# Altium PCB FlightControlBoard.PcbDoc (part 1 of 3) (continued)
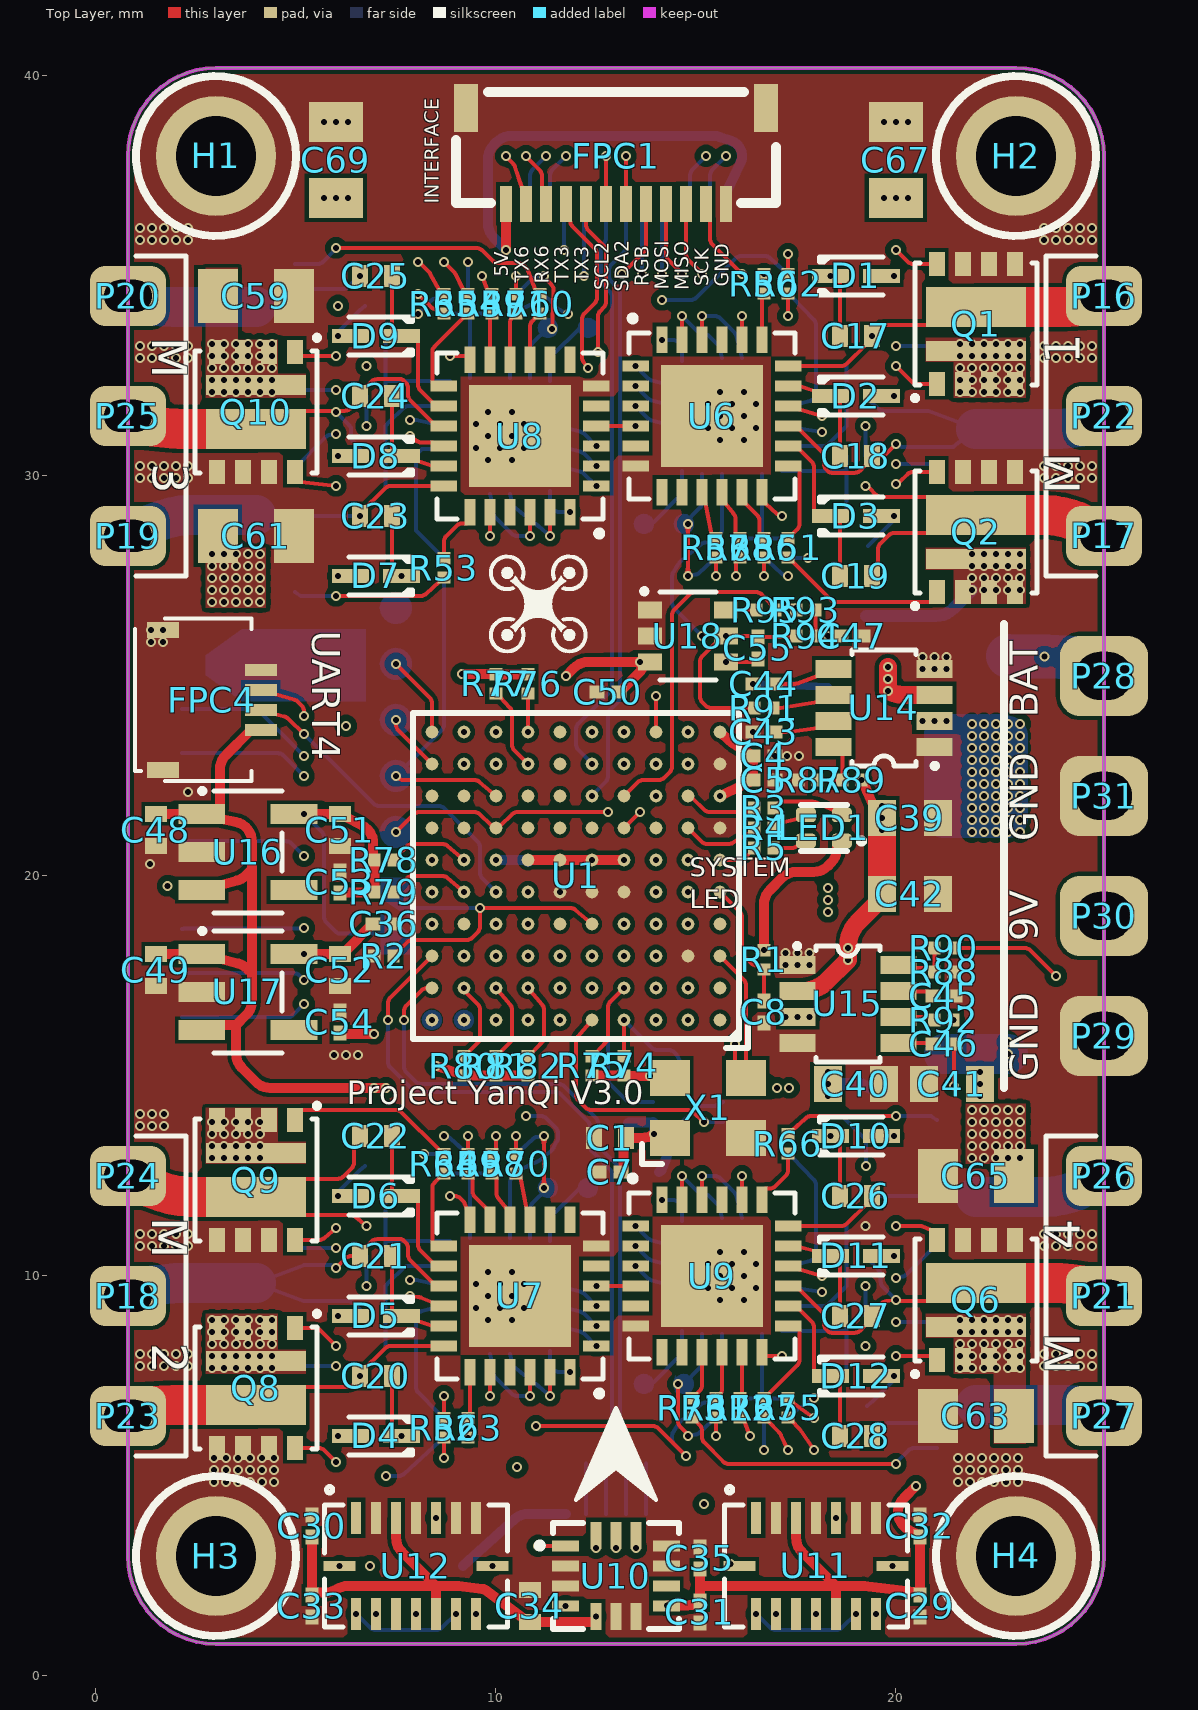
[diagram p0: Top Layer view]
## Components (designator, comment, footprint, x,y, rotation, side; value= is the part's Value field where it differs from the comment)
C1 "4.7uF" C0402 12.85,13.45 r180 top locked
C2 "2.2uF" C0402 11.2,19.55 r0 bottom
C3 "2.2uF" C0402 11.2,20.35 r180 bottom
C4 "1uF" C0201 16.7,23 r180 top
C5 "100nF" C0201 16.7,22.4 r180 top locked
C6 "15pF" C0201 15.7,15.8 r0 bottom
C7 "100nF" C0201 12.85,12.6 r0 top locked
C8 "100nF" C0201 16.7,16.6 r90 top locked
C9 "100nF" C0201 14.5,28 r180 bottom locked
C10 "100nF" C0201 11.5,13 r0 bottom locked
C11 "100nF" C0201 11.5,34.5 r0 bottom locked
C12 "100nF" C0201 14.5,6.5 r180 bottom locked
C13 "100nF" C0201 19,28.25 r0 bottom locked
C14 "100nF" C0201 7,12.75 r180 bottom locked
C15 "100nF" C0201 7,34.25 r180 bottom locked
C16 "100nF" C0201 19,6.75 r0 bottom locked
C17 "1uF" C0402 19,33.5 r180 top locked
C18 "1uF" C0402 19,30.5 r180 top locked
C19 "1uF" C0402 19,27.5 r180 top locked
C20 "1uF" C0402 7,7.5 r0 top locked
C21 "1uF" C0402 7,10.5 r0 top locked
C22 "1uF" C0402 7,13.5 r0 top locked
C23 "1uF" C0402 7,29 r0 top locked
C24 "1uF" C0402 7,32 r0 top locked
C25 "1uF" C0402 7,35 r0 top locked
C26 "1uF" C0402 19,12 r180 top locked
C27 "1uF" C0402 19,9 r180 top locked
C28 "1uF" C0402 19,6 r180 top locked
C29 "100nF" C0201 20.6,1.75 r270 top locked
C30 "100nF" C0201 5.4,3.75 r90 top locked
C31 "10nF" C0201 15.1,1.6 r270 top
C32 "100nF" C0201 20.6,3.75 r90 top locked
C33 "100nF" C0201 5.4,1.75 r270 top locked
C34 "2.2uF" C0402 10.85,1.75 r270 top
C35 "100nF" C0201 15.1,2.95 r270 top
C36 "100nF" C0201 7.2,18.8 r180 top locked
C37 "100nF" C0201 13.3,13.55 r270 bottom
C38 "100nF" C0201 13.8,12.6 r180 bottom
C39 "22uF" C0603 20.35,21.45 r0 top locked
C40 "22uF" C0603 19,14.8 r0 top
C41 "22uF" C0603 21.4,14.8 r180 top
C42 "22uF" C0603 20.35,19.55 r0 top locked
C43 "100nF" C0201 16.7,23.6 r0 top
C44 "100nF" C0201 16.7,24.8 r0 top
C45 "100nF" C0201 21.2,17 r180 top
C46 "100nF" C0201 21.2,15.8 r180 top
C47 "100nF" C0201 18.9,26 r0 top locked
C48 "1uF" C0402 1.5,21.15 r270 top locked
C49 "1uF" C0402 1.5,17.65 r270 top locked
C50 "100nF" C0201 12.8,24.6 r180 top locked
C51 "1uF" C0402 6.1,21.15 r270 top locked
C52 "1uF" C0402 6.1,17.65 r270 top locked
C53 "100nF" C0201 6.1,19.85 r90 top locked
C54 "100nF" C0201 6.1,16.35 r90 top locked
C55 "1nF" C0201 16.55,25.7 r270 top locked
C56 "22uF" C0805 21.2,20.5 r270 bottom locked
C57 "22uF" C0805 4,12.5 r0 bottom locked
C58 "22uF" C0805 22.8,20.5 r270 bottom locked
C59 "22uF" C0805 4,34.5 r0 top locked
C60 "22uF" C0805 21.2,24.5 r90 bottom locked
C61 "22uF" C0805 4,28.5 r0 top locked
C62 "22uF" C0805 21.2,16.5 r90 bottom locked
C63 "22uF" C0805 22,6.5 r180 top locked
C64 "22uF" C0805 22.8,16.5 r90 bottom locked
C65 "22uF" C0805 22,12.5 r180 top locked
C66 "22uF" C0805 22,34.5 r180 bottom locked
C67 "22uF" C0805 20,37.9 r90 top
C68 "22uF" C0805 22,28.5 r180 bottom locked
C69 "22uF" C0805 6,37.9 r90 top
C70 "22uF" C0805 4,6.5 r0 bottom locked
C71 "22uF" C0805 6,37.9 r90 bottom
C72 "22uF" C0805 18.3,26.5 r180 bottom
C73 "22uF" C0805 20,37.9 r90 bottom
D1 "1N4148WT T4" SOD-523 19,35 r0 top locked
D2 "1N4148WT T4" SOD-523 19,32 r0 top locked
D3 "1N4148WT T4" SOD-523 19,29 r0 top locked
D4 "1N4148WT T4" SOD-523 7,6 r180 top locked
D5 "1N4148WT T4" SOD-523 7,9 r180 top locked
D6 "1N4148WT T4" SOD-523 7,12 r180 top locked
D7 "1N4148WT T4" SOD-523 7,27.5 r180 top locked
D8 "1N4148WT T4" SOD-523 7,30.5 r180 top locked
D9 "1N4148WT T4" SOD-523 7,33.5 r180 top locked
D10 "1N4148WT T4" SOD-523 19,13.5 r0 top locked
D11 "1N4148WT T4" SOD-523 19,10.5 r0 top locked
D12 "1N4148WT T4" SOD-523 19,7.5 r0 top locked
D13 "1N5819WS" SOD-323 8,2.75 r0 bottom locked
D14 "1N5819WS" SOD-323 18.2,14.7 r0 bottom locked
FPC1 "FH34SRJ-12S-0.5SH(50)" FFC-SMD_12P-P0.50_FH34SRJ-12S-0.5SH 13,38 r180 top locked
FPC2 "FH34SRJ-6S-0.5SH(50)" FFC-SMD_6P-P0.50_FH34SRJ-6S-0.5SH 13,2.9 r180 bottom locked
FPC3 "FH34SRJ-12S-0.5SH(50)" FFC-SMD_12P-P0.50_FH34SRJ-12S-0.5SH 13,38 r0 bottom locked
FPC4 "FH34SRJ-4S-0.5SH(50)" FFC-SMD_4P-P0.50_FH34SRJ-4S-0.5SH 2.9,24.4 r270 top locked
H1 "M2_HOLE" M2_HOLE 3,38 r0 top locked
H2 "M2_HOLE" M2_HOLE 23,38 r0 top locked
H3 "M2_HOLE" M2_HOLE 3,3 r0 top locked
H4 "M2_HOLE" M2_HOLE 23,3 r0 top locked
L1 "FHD4020S-100MT" IND-SMD_L4.0-W4.0 18.3,23.2 r90 bottom locked value=10uH
L2 "FHD4020S-4R7MT" IND-SMD_L4.0-W4.0 18.3,17.8 r270 bottom locked value=4.7uH
LED1 "FC-B1010RGBT-HG" LED-ARRAY-SMD_4P-L1.0-W1.0-TR-RD 18.2,21.2 r270 top locked
P1 "BurnPad" BURNPAD_0.5MM 9.2,16.4 r180 bottom
P2 "ShortCircuitPad" SHORTCIRCUITPAD 7.5,19 r270 bottom locked
P3 "BurnPad" BURNPAD_0.5MM 8.4,16.4 r180 bottom
P4 "BurnPad" BURNPAD_0.5MM 14.7,28.8 r270 bottom locked
P5 "BurnPad" BURNPAD_0.5MM 13.7,28.8 r270 bottom locked
P6 "BurnPad" BURNPAD_0.5MM 11.3,12.2 r180 bottom locked
P7 "BurnPad" BURNPAD_0.5MM 12.3,12.2 r180 bottom locked
P8 "BurnPad" BURNPAD_0.5MM 11.3,33.7 r180 bottom locked
P9 "BurnPad" BURNPAD_0.5MM 12.3,33.7 r180 bottom locked
P10 "BurnPad" BURNPAD_0.5MM 14.7,7.3 r180 bottom locked
P11 "BurnPad" BURNPAD_0.5MM 13.7,7.3 r180 bottom locked
P12 "BurnPad" BURNPAD_0.8MM 7.5,25.3 r90 bottom locked
P13 "BurnPad" BURNPAD_0.8MM 7.5,23.9 r90 bottom locked
P14 "BurnPad" BURNPAD_0.8MM 7.5,22.5 r90 bottom locked
P15 "BurnPad" BURNPAD_0.8MM 7.5,21.1 r90 bottom locked
P16 "MotorPad" "MOTOR HALF HOLE" 25.2,34.5 r0 top locked
P17 "MotorPad" "MOTOR HALF HOLE" 25.2,28.5 r0 top locked
P18 "MotorPad" "MOTOR HALF HOLE" 0.8,9.5 r0 top locked
P19 "MotorPad" "MOTOR HALF HOLE" 0.8,28.5 r0 top locked
P20 "MotorPad" "MOTOR HALF HOLE" 0.8,34.5 r0 top locked
P21 "MotorPad" "MOTOR HALF HOLE" 25.2,9.5 r0 top locked
P22 "MotorPad" "MOTOR HALF HOLE" 25.2,31.5 r0 top locked
P23 "MotorPad" "MOTOR HALF HOLE" 0.8,6.5 r0 top locked
P24 "MotorPad" "MOTOR HALF HOLE" 0.8,12.5 r0 top locked
P25 "MotorPad" "MOTOR HALF HOLE" 0.8,31.5 r0 top locked
P26 "MotorPad" "MOTOR HALF HOLE" 25.2,12.5 r0 top locked
P27 "MotorPad" "MOTOR HALF HOLE" 25.2,6.5 r0 top locked
P28 "Power_Pad" "POWER HALF HOLE" 25.2,25 r0 top locked
P29 "Power_Pad" "POWER HALF HOLE" 25.2,16 r0 top locked
P30 "Power_Pad" "POWER HALF HOLE" 25.2,19 r0 top locked
P31 "Power_Pad" "POWER HALF HOLE" 25.2,22 r0 top locked
P32 "BurnPad" BURNPAD_0.8MM 7.5,26.7 r90 bottom locked
Q1 "AON7934" DFN-8 22,33.8 r0 top locked
Q2 "AON7934" DFN-8 22,28.6 r0 top locked
Q3 "AON7934" DFN-8 4,9.4 r180 bottom locked
Q4 "AON7934" DFN-8 4,28.6 r180 bottom locked
Q5 "AON7934" DFN-8 4,33.8 r180 bottom locked
Q6 "AON7934" DFN-8 22,9.4 r0 top locked
Q7 "AON7934" DFN-8 22,31.6 r0 bottom locked
Q8 "AON7934" DFN-8 4,7.2 r180 top locked
Q9 "AON7934" DFN-8 4,12.4 r180 top locked
Q10 "AON7934" DFN-8 4,31.6 r180 top locked
Q11 "AON7934" DFN-8 22,12.4 r0 bottom locked
Q12 "AON7934" DFN-8 22,7.2 r0 bottom locked
R1 "10kΩ" R0201 16.7,17.9 r90 top locked
R2 "10kΩ" R0201 7.2,18 r180 top locked
R3 "10kΩ" R0201 16.7,21.7 r180 top locked
R4 "10kΩ" R0201 16.7,21.2 r180 top locked
R5 "10kΩ" R0201 16.7,20.7 r180 top locked
R6 "1kΩ" R0201 15.5,28.2 r270 bottom locked
R7 "1kΩ" R0201 10.5,12.8 r90 bottom locked
R8 "1kΩ" R0201 10.5,34.3 r90 bottom locked
R9 "1kΩ" R0201 15.5,6.7 r270 bottom locked
R10 "10kΩ" R0201 17.3,34.8 r90 bottom locked
R11 "10kΩ" R0201 8.7,6.2 r270 bottom locked
R12 "10kΩ" R0201 8.7,27.7 r270 bottom locked
R13 "10kΩ" R0201 17.3,13.3 r90 bottom locked
R14 "10kΩ" R0201 16.7,28.2 r90 bottom locked
R15 "10kΩ" R0201 19,31.25 r180 bottom locked
R16 "10kΩ" R0201 19,30.5 r180 bottom locked
R17 "10kΩ" R0201 9.3,12.8 r270 bottom locked
R18 "10kΩ" R0201 7,9.75 r0 bottom locked
R19 "10kΩ" R0201 7,10.5 r0 bottom locked
R20 "10kΩ" R0201 9.3,34.3 r270 bottom
R21 "10kΩ" R0201 7,31.25 r0 bottom locked
R22 "10kΩ" R0201 7,32 r0 bottom locked
R23 "10kΩ" R0201 16.7,6.7 r90 bottom locked
R24 "10kΩ" R0201 19,9.75 r180 bottom locked
R25 "10kΩ" R0201 19,9 r180 bottom locked
R26 "47kΩ" R0201 17.3,28.2 r270 bottom locked
R27 "4.7kΩ" R0201 16.1,28.2 r90 bottom locked
R28 "47kΩ" R0201 8.7,12.8 r90 bottom locked
R29 "4.7kΩ" R0201 9.9,12.8 r270 bottom locked
R30 "47kΩ" R0201 8.7,34.3 r90 bottom
R31 "4.7kΩ" R0201 9.9,34.3 r270 bottom
R32 "47kΩ" R0201 17.3,6.7 r270 bottom locked
R33 "4.7kΩ" R0201 16.1,6.7 r90 bottom locked
R34 "47kΩ" R0201 19,32 r0 bottom locked
R35 "4.7kΩ" R0201 19,32.75 r180 bottom locked
R36 "47kΩ" R0201 7,9 r180 bottom locked
R37 "4.7kΩ" R0201 7,8.25 r0 bottom locked
R38 "47kΩ" R0201 7,30.5 r180 bottom locked
R39 "4.7kΩ" R0201 7,29.75 r0 bottom locked
R40 "47kΩ" R0201 19,10.5 r0 bottom locked
R41 "4.7kΩ" R0201 19,11.25 r180 bottom locked
R42 "47kΩ" R0201 19,29.75 r0 bottom locked
R43 "4.7kΩ" R0201 19,29 r180 bottom locked
R44 "47kΩ" R0201 7,11.25 r180 bottom locked
R45 "4.7kΩ" R0201 7,12 r0 bottom locked
R46 "47kΩ" R0201 7,32.75 r180 bottom locked
R47 "4.7kΩ" R0201 7,33.5 r0 bottom locked
R48 "47kΩ" R0201 19,8.25 r0 bottom locked
R49 "4.7kΩ" R0201 19,7.5 r180 bottom locked
R50 "22Ω" R0201 16.7,34.8 r270 top
R51 "22Ω" R0201 17.3,28.2 r90 top
R52 "22Ω" R0201 8.7,6.2 r90 top
R53 "22Ω" R0201 8.7,27.7 r90 top
R54 "22Ω" R0201 9.3,34.3 r270 top
R55 "22Ω" R0201 17.3,6.7 r90 top
R56 "22Ω" R0201 16.7,28.2 r90 top
R57 "22Ω" R0201 15.5,28.2 r90 top
R58 "22Ω" R0201 9.9,12.8 r270 top
R59 "22Ω" R0201 9.9,34.3 r270 top
R60 "22Ω" R0201 11.1,34.3 r270 top
R61 "22Ω" R0201 15.5,6.7 r90 top locked
R62 "22Ω" R0201 17.3,34.8 r270 top
R63 "22Ω" R0201 9.3,6.2 r90 top
R64 "22Ω" R0201 8.7,12.8 r270 top
R65 "22Ω" R0201 8.7,34.3 r270 top
R66 "22Ω" R0201 17.3,13.3 r270 top
R67 "22Ω" R0201 16.7,6.7 r90 top
R68 "22Ω" R0201 16.1,28.2 r90 top
R69 "22Ω" R0201 9.3,12.8 r270 top
R70 "22Ω" R0201 10.5,12.8 r270 top
R71 "22Ω" R0201 10.5,34.3 r270 top
R72 "22Ω" R0201 16.1,6.7 r90 top
R73 "22Ω" R0201 14.9,6.7 r90 top
R74 "4.7kΩ" R0201 13.2,15.25 r270 top
R75 "4.7kΩ" R0201 12.4,15.25 r270 top
R76 "4.7kΩ" R0201 10.8,24.8 r90 top
R77 "4.7kΩ" R0201 10,24.8 r90 top
R78 "10kΩ" R0201 7.2,20.4 r180 top
R79 "10kΩ" R0201 7.2,19.6 r180 top
R80 "10kΩ" R0201 9.2,15.25 r270 top
R81 "10kΩ" R0201 10,15.25 r270 top
R82 "10kΩ" R0201 10.8,15.25 r270 top
R83 "5.1kΩ" R0201 13.75,5.55 r270 bottom
R84 "5.1kΩ" R0201 12.25,5.55 r90 bottom
R85 "22Ω" R0201 13.25,5.55 r90 bottom
R86 "22Ω" R0201 12.75,5.55 r90 bottom
R87 "10kΩ" R0201 17.8,22.4 r0 top
R88 "10kΩ" R0201 21.2,17.6 r180 top
R89 "140kΩ" R0201 18.9,22.4 r0 top
R90 "74kΩ" R0201 21.2,18.2 r0 top
R91 "100kΩ" R0201 16.7,24.2 r180 top
R92 "100kΩ" R0201 21.2,16.4 r0 top
R93 "10kΩ" R0201 17.75,26.65 r0 top locked
R94 "100kΩ" R0201 17.75,26 r180 top locked
R95 "56Ω" R0201 16.75,26.65 r0 top locked
R96 "10mΩ" R0805 22.8,24.5 r270 bottom locked
SD1 "TF-027-H300" TF-SMD_HYCW104-TF08-375B 4.2,20 r90 bottom locked
U1 "STM32H743VIH6" BGA-100_L8.0-W8.0-P0.80-R10-C10-BL 12,20 r90 top locked
U2 "EFM8BB21F16G" QFN-20_L3.0-W3.0-P0.50-BL-EP1.7_EFM8BB21F16G 15.9,31.5 r180 bottom locked
U3 "EFM8BB21F16G" QFN-20_L3.0-W3.0-P0.50-BL-EP1.7_EFM8BB21F16G 10.1,9.5 r0 bottom locked
U4 "EFM8BB21F16G" QFN-20_L3.0-W3.0-P0.50-BL-EP1.7_EFM8BB21F16G 10.1,31 r0 bottom locked
U5 "EFM8BB21F16G" QFN-20_L3.0-W3.0-P0.50-BL-EP1.7_EFM8BB21F16G 15.9,10 r180 bottom locked
U6 "FD6288Q" QFN-24_L4.0-W4.0-P0.50-BL-EP2.6 15.4,31.5 r270 top locked
U7 "FD6288Q" QFN-24_L4.0-W4.0-P0.50-BL-EP2.6 10.6,9.5 r90 top locked
U8 "FD6288Q" QFN-24_L4.0-W4.0-P0.50-BL-EP2.6 10.6,31 r90 top locked
U9 "FD6288Q" QFN-24_L4.0-W4.0-P0.50-BL-EP2.6 15.4,10 r270 top locked
U10 "ICM-42688-P" LGA-14_L3.0-W2.5-P0.50-TL 13,2.5 r0 top locked
U11 "BMI088" LGA-16_L4.5-W3.0-P0.50-BL 18,2.75 r270 top locked
U12 "BMI088" LGA-16_L4.5-W3.0-P0.50-BL 8,2.75 r270 top locked
U13 "BMP388" LGA-10 14.8,14.1 r270 bottom locked
U14 "MP2225GJ-Z" SOT-23-8 19.7,24.2 r90 top locked
U15 "MP2225GJ-Z" SOT-23-8 18.8,16.8 r270 top locked
U16 "RT9013-33GB" SOT-23-5 3.8,20.6 r270 top locked
U17 "RT9013-33GB" SOT-23-5 3.8,17.1 r270 top locked
U18 "INA199A1DCKR" SOT-323-6 14.8,26 r180 top locked
X1 "X1G004171002700" OSC-SMD_4P-L2.5-W2.0-BL 15.3,14.2 r0 top locked value=16MHz

## Footprints (in the part's own frame and the unit in brackets; to place one, negate y for a bottom-side part, rotate by r counter-clockwise, add the part's x,y. Pads: shape width x height; smd on the part's side, far side on the other; paste and mask are expansions set on the pad)
BGA-100_L8.0-W8.0-P0.80-R10-C10-BL [mm]
  round 0.32 smd paste-100 mask+0.051: A1(-3.6,-3.6) A2(-3.6,-2.8) A3(-3.6,-2) A4(-3.6,-1.2) A5(-3.6,-0.4) A6(-3.6,0.4) A7(-3.6,1.2) A8(-3.6,2) A9(-3.6,2.8) A10(-3.6,3.6) B1(-2.8,-3.6) B2(-2.8,-2.8) B3(-2.8,-2) B4(-2.8,-1.2) B5(-2.8,-0.4) B6(-2.8,0.4) B7(-2.8,1.2) B8(-2.8,2) B9(-2.8,2.8) B10(-2.8,3.6) C1(-2,-3.6) C2(-2,-2.8) C3(-2,-2) C4(-2,-1.2) C5(-2,-0.4) C6(-2,0.4) C7(-2,1.2) C8(-2,2) C9(-2,2.8) C10(-2,3.6) D1(-1.2,-3.6) D2(-1.2,-2.8) D3(-1.2,-2) D4(-1.2,-1.2) D5(-1.2,-0.4) D6(-1.2,0.4) D7(-1.2,1.2) D8(-1.2,2) D9(-1.2,2.8) D10(-1.2,3.6) E1(-0.4,-3.6) E2(-0.4,-2.8) E3(-0.4,-2) E4(-0.4,-1.2) E5(-0.4,-0.4) E6(-0.4,0.4) E7(-0.4,1.2) E8(-0.4,2) E9(-0.4,2.8) E10(-0.4,3.6) F1(0.4,-3.6) F2(0.4,-2.8) F3(0.4,-2) F4(0.4,-1.2) F5(0.4,-0.4) F6(0.4,0.4) F7(0.4,1.2) F8(0.4,2) F9(0.4,2.8) F10(0.4,3.6) G1(1.2,-3.6) G2(1.2,-2.8) G3(1.2,-2) G4(1.2,-1.2) G5(1.2,-0.4) G6(1.2,0.4) G7(1.2,1.2) G8(1.2,2) G9(1.2,2.8) G10(1.2,3.6) H1(2,-3.6) H2(2,-2.8) H3(2,-2) H4(2,-1.2) H5(2,-0.4) H6(2,0.4) H7(2,1.2) H8(2,2) H9(2,2.8) H10(2,3.6) J1(2.8,-3.6) J2(2.8,-2.8) J3(2.8,-2) J4(2.8,-1.2) J5(2.8,-0.4) J6(2.8,0.4) J7(2.8,1.2) J8(2.8,2) J9(2.8,2.8) J10(2.8,3.6) K1(3.6,-3.6) K2(3.6,-2.8) K3(3.6,-2) K4(3.6,-1.2) K5(3.6,-0.4) K6(3.6,0.4) K7(3.6,1.2) K8(3.6,2) K9(3.6,2.8) K10(3.6,3.6)
  silkscreen extent -4.3,-4.3 4.08,4.08, body extent -4,-4 4,4, height 0.96
BURNPAD_0.5MM [mil]
  round 1 smd mask+1.97: 1(0,0)
  Top Layer region: -9.84,0 -9.09,-3.77 -6.96,-6.96 -3.77,-9.09 0,-9.84 0,-9.84 3.77,-9.09 6.96,-6.96 9.09,-3.77 9.84,0 9.84,0 9.09,3.77 6.96,6.96 3.77,9.09 0,9.84 0,9.84 -3.77,9.09 -6.96,6.96 -9.09,3.77 -9.84,0
BURNPAD_0.8MM [mil]
  round 1 smd mask+1.97: 1(0,0)
  Top Layer region: 0,-15.75 -6.03,-14.55 -11.14,-11.14 -14.55,-6.03 -15.75,0 -15.75,0 -14.55,6.03 -11.14,11.14 -6.03,14.55 0,15.75 0,15.75 6.03,14.55 11.14,11.14 14.55,6.03 15.75,0 15.75,0 14.55,-6.03 11.14,-11.14 6.03,-14.55 0,-15.75
C0201 [mm]
  rect 0.368x0.324 smd paste-100 mask+0.051: 1(-0.274,0) 2(0.274,0)
  body extent -0.3,-0.15 0.3,0.15, height 0.3
C0402 [mm]
  rect 0.4x0.54 smd mask+0.051: 1(-0.4,0) 2(0.4,0)
  body extent -0.5,-0.25 0.5,0.25, height 0.5
C0603 [mm]
  rect 0.7x0.9 smd: 1(-0.7,0) 2(0.7,0)
  body extent -0.8,-0.41 0.8,0.39, height 0.8
C0805 [mm]
  rect 1x1.35 smd mask+0.051: 1(-0.95,0) 2(0.95,0)
  body extent -1,-0.65 1,0.65, height 1.3
DFN-8 [mm]
  rect 0.4x0.6 smd: 1(-0.975,-1.5) 2(-0.325,-1.5) 3(0.325,-1.5) 4(0.975,-1.5) 5(0.975,1.5) 6(0.325,1.5) 7(-0.325,1.5) 8(-0.975,1.5)
  rect 2.5x0.5 smd: 9(0,-0.67)
  rect 2.5x1 smd: 10(0,0.42)
  silkscreen extent -1.59,-1.92 1.52,1.52, body extent -1.51,-1.52 1.51,1.5, height 0.76
FFC-SMD_4P-P0.50_FH34SRJ-4S-0.5SH [mm]
  rect 0.3x0.8 smd: 1(0.75,1.225) 2(0.25,1.225) 3(-0.25,1.225) 4(-0.75,1.225)
  rect 0.4x0.8 smd: 5(-1.75,-1.225) 6(1.75,-1.225)
  silkscreen extent -2.03,-1.93 2.03,0.99, body extent -1.96,-1.95 2.04,1.85, height 1.02
FFC-SMD_6P-P0.50_FH34SRJ-6S-0.5SH [mm]
  rect 0.3x1 smd: 1(1.25,1.25) 2(0.75,1.25) 3(0.25,1.25) 4(-0.25,1.25) 5(-0.75,1.25) 6(-1.25,1.25)
  rect 0.6x1 smd: 7(-2.25,-1.25) 8(2.25,-1.25)
  silkscreen extent -2.45,-1.63 2.45,1.25, body extent -2.5,-1.64 2.5,2.01, height 0.95
FFC-SMD_12P-P0.50_FH34SRJ-12S-0.5SH [mm]
  rect 0.3x0.9 smd: 1(2.75,1.2) 2(2.25,1.2) 3(1.75,1.2) 4(1.25,1.2) 5(0.75,1.2) 6(0.25,1.2) 7(-0.25,1.2) 8(-0.75,1.2) 9(-1.25,1.2) 10(-1.75,1.2) 11(-2.25,1.2) 12(-2.75,1.2)
  rect 0.6x1.2 smd: 13(-3.75,-1.2) 14(3.75,-1.2)
  silkscreen extent -4,-1.6 4,1.18, body extent -4,-1.64 4,2.16, height 1.22
IND-SMD_L4.0-W4.0 [mil]
  rect 60x137.79 smd: 1(-60,0) 2(60,0)
  silkscreen extent -82,-83 82,82, body extent -79,-79 79,79, height 73
LED-ARRAY-SMD_4P-L1.0-W1.0-TR-RD [mm]
  rrect50% 0.364x0.5 smd: 1(0.325,0.45) 2(0.325,-0.45) 3(-0.325,-0.45) 4(-0.325,0.45)
  silkscreen extent -0.58,-0.58 0.58,1.02, body extent -0.5,-0.5 0.5,0.5, height 0.92
LGA-10 [mm]
  rect 0.3x0.5 smd paste+0 mask+0.05: 1(0.25,0.871) 2(-0.25,0.871) 6(-0.25,-0.871) 7(0.25,-0.871)
  rect 0.5x0.3 smd paste+0 mask+0.05: 3(-0.869,0.5) 4(-0.869,0) 5(-0.869,-0.5) 8(0.869,-0.5) 9(0.869,0) 10(0.869,0.5)
  silkscreen extent -1.02,-1.02 1.02,1.02, body extent -1,-1 1,1, height 0.76
LGA-14_L3.0-W2.5-P0.50-TL [mm]
  rect 0.675x0.28 smd: 1(-1.262,0.75) 2(-1.262,0.25) 3(-1.262,-0.25) 4(-1.262,-0.75) 8(1.262,-0.75) 9(1.262,-0.25) 10(1.262,0.25) 11(1.262,0.75)
  rect 0.28x0.675 smd: 5(-0.5,-1.012) 6(0,-1.012) 7(0.5,-1.012) 12(0.5,1.012) 13(0,1.012) 14(-0.5,1.012)
  silkscreen extent -1.98,-1.33 1.58,1.33, body extent -1.5,-1.25 1.5,1.25, height 0.92
LGA-16_L4.5-W3.0-P0.50-BL [mm]
  rect 0.8x0.25 smd: 1(-1.2,-1.498) 2(-1.2,-0.998) 3(-1.2,-0.498) 4(-1.2,0.002) 5(-1.2,0.502) 6(-1.2,1.002) 7(-1.2,1.502) 9(1.2,1.502) 10(1.2,1.002) 11(1.2,0.502) 12(1.2,0.002) 13(1.2,-0.498) 14(1.2,-0.998) 15(1.2,-1.498)
  rect 0.25x0.8 smd: 8(0,1.915) 16(0,-1.915)
  silkscreen extent -1.98,-2.29 1.52,2.29, body extent -1.5,-2.25 1.5,2.25, height 1
M2_HOLE [mm]
  round 3 / inner round 0 / far side round 3 hole 2: 1(0,0)
  silkscreen extent -2,-2 2,2
"MOTOR HALF HOLE" [mm]
  rrect50% 1.9x1.5 hole 0.8 slot 1.2 at 0 deg: 1(0,0)
OSC-SMD_4P-L2.5-W2.0-BL [mm]
  rect 1x0.9 smd: 1(-0.95,-0.75) 2(0.95,-0.75) 3(0.95,0.75) 4(-0.95,0.75)
  silkscreen extent -1.65,-1.4 -1.15,-0.9, body extent -1.25,-1 1.25,1, height 0.57
"POWER HALF HOLE" [mm]
  rrect50% 2.2x2 hole 1.2 slot 1.4 at 0 deg: 1(0,0)
QFN-20_L3.0-W3.0-P0.50-BL-EP1.7_EFM8BB21F16G [mm]
  rect 0.34x0.5 smd paste+0 mask+0.05: 1(-1.252,-1.377) 6(1.249,-1.377) 11(1.249,1.377) 16(-1.252,1.377)
  rect 0.25x0.7 smd paste+0 mask+0.05: 2(-0.751,-1.45) 3(-0.252,-1.45) 4(0.249,-1.45) 5(0.748,-1.45) 12(0.748,1.45) 13(0.249,1.45) 14(-0.252,1.45) 15(-0.751,1.45)
  rect 0.7x0.25 smd paste+0 mask+0.05: 7(1.451,-0.75) 8(1.451,-0.25) 9(1.451,0.25) 10(1.451,0.75) 17(-1.451,0.75) 18(-1.451,0.25) 19(-1.451,-0.25) 20(-1.451,-0.75)
  rect 1.7x1.7 smd paste+0 mask+0.05: 21(-0.001,0)
  silkscreen extent -1.95,-2.36 1.9,1.9, body extent -1.51,-1.52 1.51,1.5, height 0.82
QFN-24_L4.0-W4.0-P0.50-BL-EP2.6 [mm]
  rect 0.28x0.665 smd paste-100 mask+0.05: 1(-1.25,-1.908) 2(-0.75,-1.908) 3(-0.25,-1.908) 4(0.25,-1.908) 5(0.75,-1.908) 6(1.25,-1.908) 13(1.25,1.908) 14(0.75,1.908) 15(0.25,1.908) 16(-0.25,1.908) 17(-0.75,1.908) 18(-1.25,1.908)
  rect 0.665x0.28 smd paste-100 mask+0.05: 7(1.908,-1.25) 8(1.908,-0.75) 9(1.908,-0.25) 10(1.908,0.25) 11(1.908,0.75) 12(1.908,1.25) 19(-1.908,1.25) 20(-1.908,0.75) 21(-1.908,0.25) 22(-1.908,-0.25) 23(-1.908,-0.75) 24(-1.908,-1.25)
  rect 2.55x2.55 smd paste-100 mask+0.05: 25(0,0)
  silkscreen extent -2.51,-2.08 2.08,2.08, body extent -2,-2.01 2,1.99, height 0.9
R0201 [mm]
  rect 0.303x0.324 smd paste-100 mask+0.051: 1(-0.242,0) 2(0.242,0)
  body extent -0.3,-0.15 0.3,0.15, height 0.24
R0805 [mm]
  rect 1.133x1.377 smd paste-100 mask+0.051: 1(-1,0) 2(1,0)
  body extent -1,-0.65 1,0.65, height 0.61
SHORTCIRCUITPAD [mil]
  round 1 smd: 1(-17.5,0) 2(17.5,0)
  Top Layer region: 17.5,-15 -2.5,15 37.5,15 37.5,-15
  Top Layer region: -37.5,-15 -37.5,15 -17.5,15 2.5,-15
SOD-323 [mm]
  rect 0.8x0.75 smd: 1(-1.173,0) 2(1.173,0)
  silkscreen extent -1.08,-0.8 0.9,0.8, body extent -1.23,-0.65 1.28,0.65, height 1.2
SOD-523 [mm]
  rect 0.93x0.36 smd: 1(-0.635,0) 2(0.635,0)
  silkscreen extent -0.91,-0.48 0.68,0.48, body extent -0.8,-0.4 0.8,0.4, height 0.71
SOT-23-5 [mm]
  rect 0.49x1.157 smd: 1(-0.95,-1.154) 2(0,-1.154) 3(0.95,-1.154)
  rect 0.49x1.175 smd: 4(0.95,1.154) 5(-0.95,1.154)
  silkscreen extent -1.59,-1.21 1.53,0.85, body extent -1.45,-1.51 1.45,1.51, height 1.25
SOT-23-8 [mm]
  rect 0.45x0.9 smd: 1(-0.975,-1.26) 2(-0.325,-1.26) 3(0.325,-1.26) 4(0.975,-1.26) 5(0.975,1.26) 6(0.325,1.26) 7(-0.325,1.26) 8(-0.975,1.26)
  silkscreen extent -1.51,-1.33 1.45,0.8, body extent -1.45,-1.43 1.45,1.38, height 1.05
SOT-323-6 [mm]
  rect 0.6x0.42 smd: 1(0.95,-0.65) 2(0.95,0) 3(0.95,0.65) 4(-0.95,0.65) 5(-0.95,0) 6(-0.95,-0.65)
  silkscreen extent -0.7,-1.18 1.16,1.1, body extent -1.05,-1 1.05,1, height 1
TF-SMD_HYCW104-TF08-375B [mm]
  oval 0.7x1.6 smd paste+0 mask+0.05: 1(-3.53,-2.05) 2(-2.43,-2.05) 3(-1.33,-2.05) 4(-0.23,-2.05) 5(0.87,-2.05) 6(1.97,-2.05) 7(3.07,-2.05) 8(4.17,-2.05)
  rect 1.5x0.5 smd paste+0 mask+0.05: 9(-5.27,1.06)
  rect 1.5x0.8 smd paste+0 mask+0.05: 10(-4.48,2.05)
  rect 1.65x1.3 smd paste+0 mask+0.05: 11(-4.91,-0.19)
  oval 1.8x4 smd: 11(5.27,0.55)
  Top Layer region: 4.37,2.55 4.37,-0.55 5.02,-1.45 5.52,-1.45 6.17,-0.55 6.17,2.55
  silkscreen extent -5.39,-3.25 6.02,2.25, body extent -5.67,-3.3 5.74,2.2, height 3.74